# KiCad board Panel3-copy2.kicad_pcb (continued)
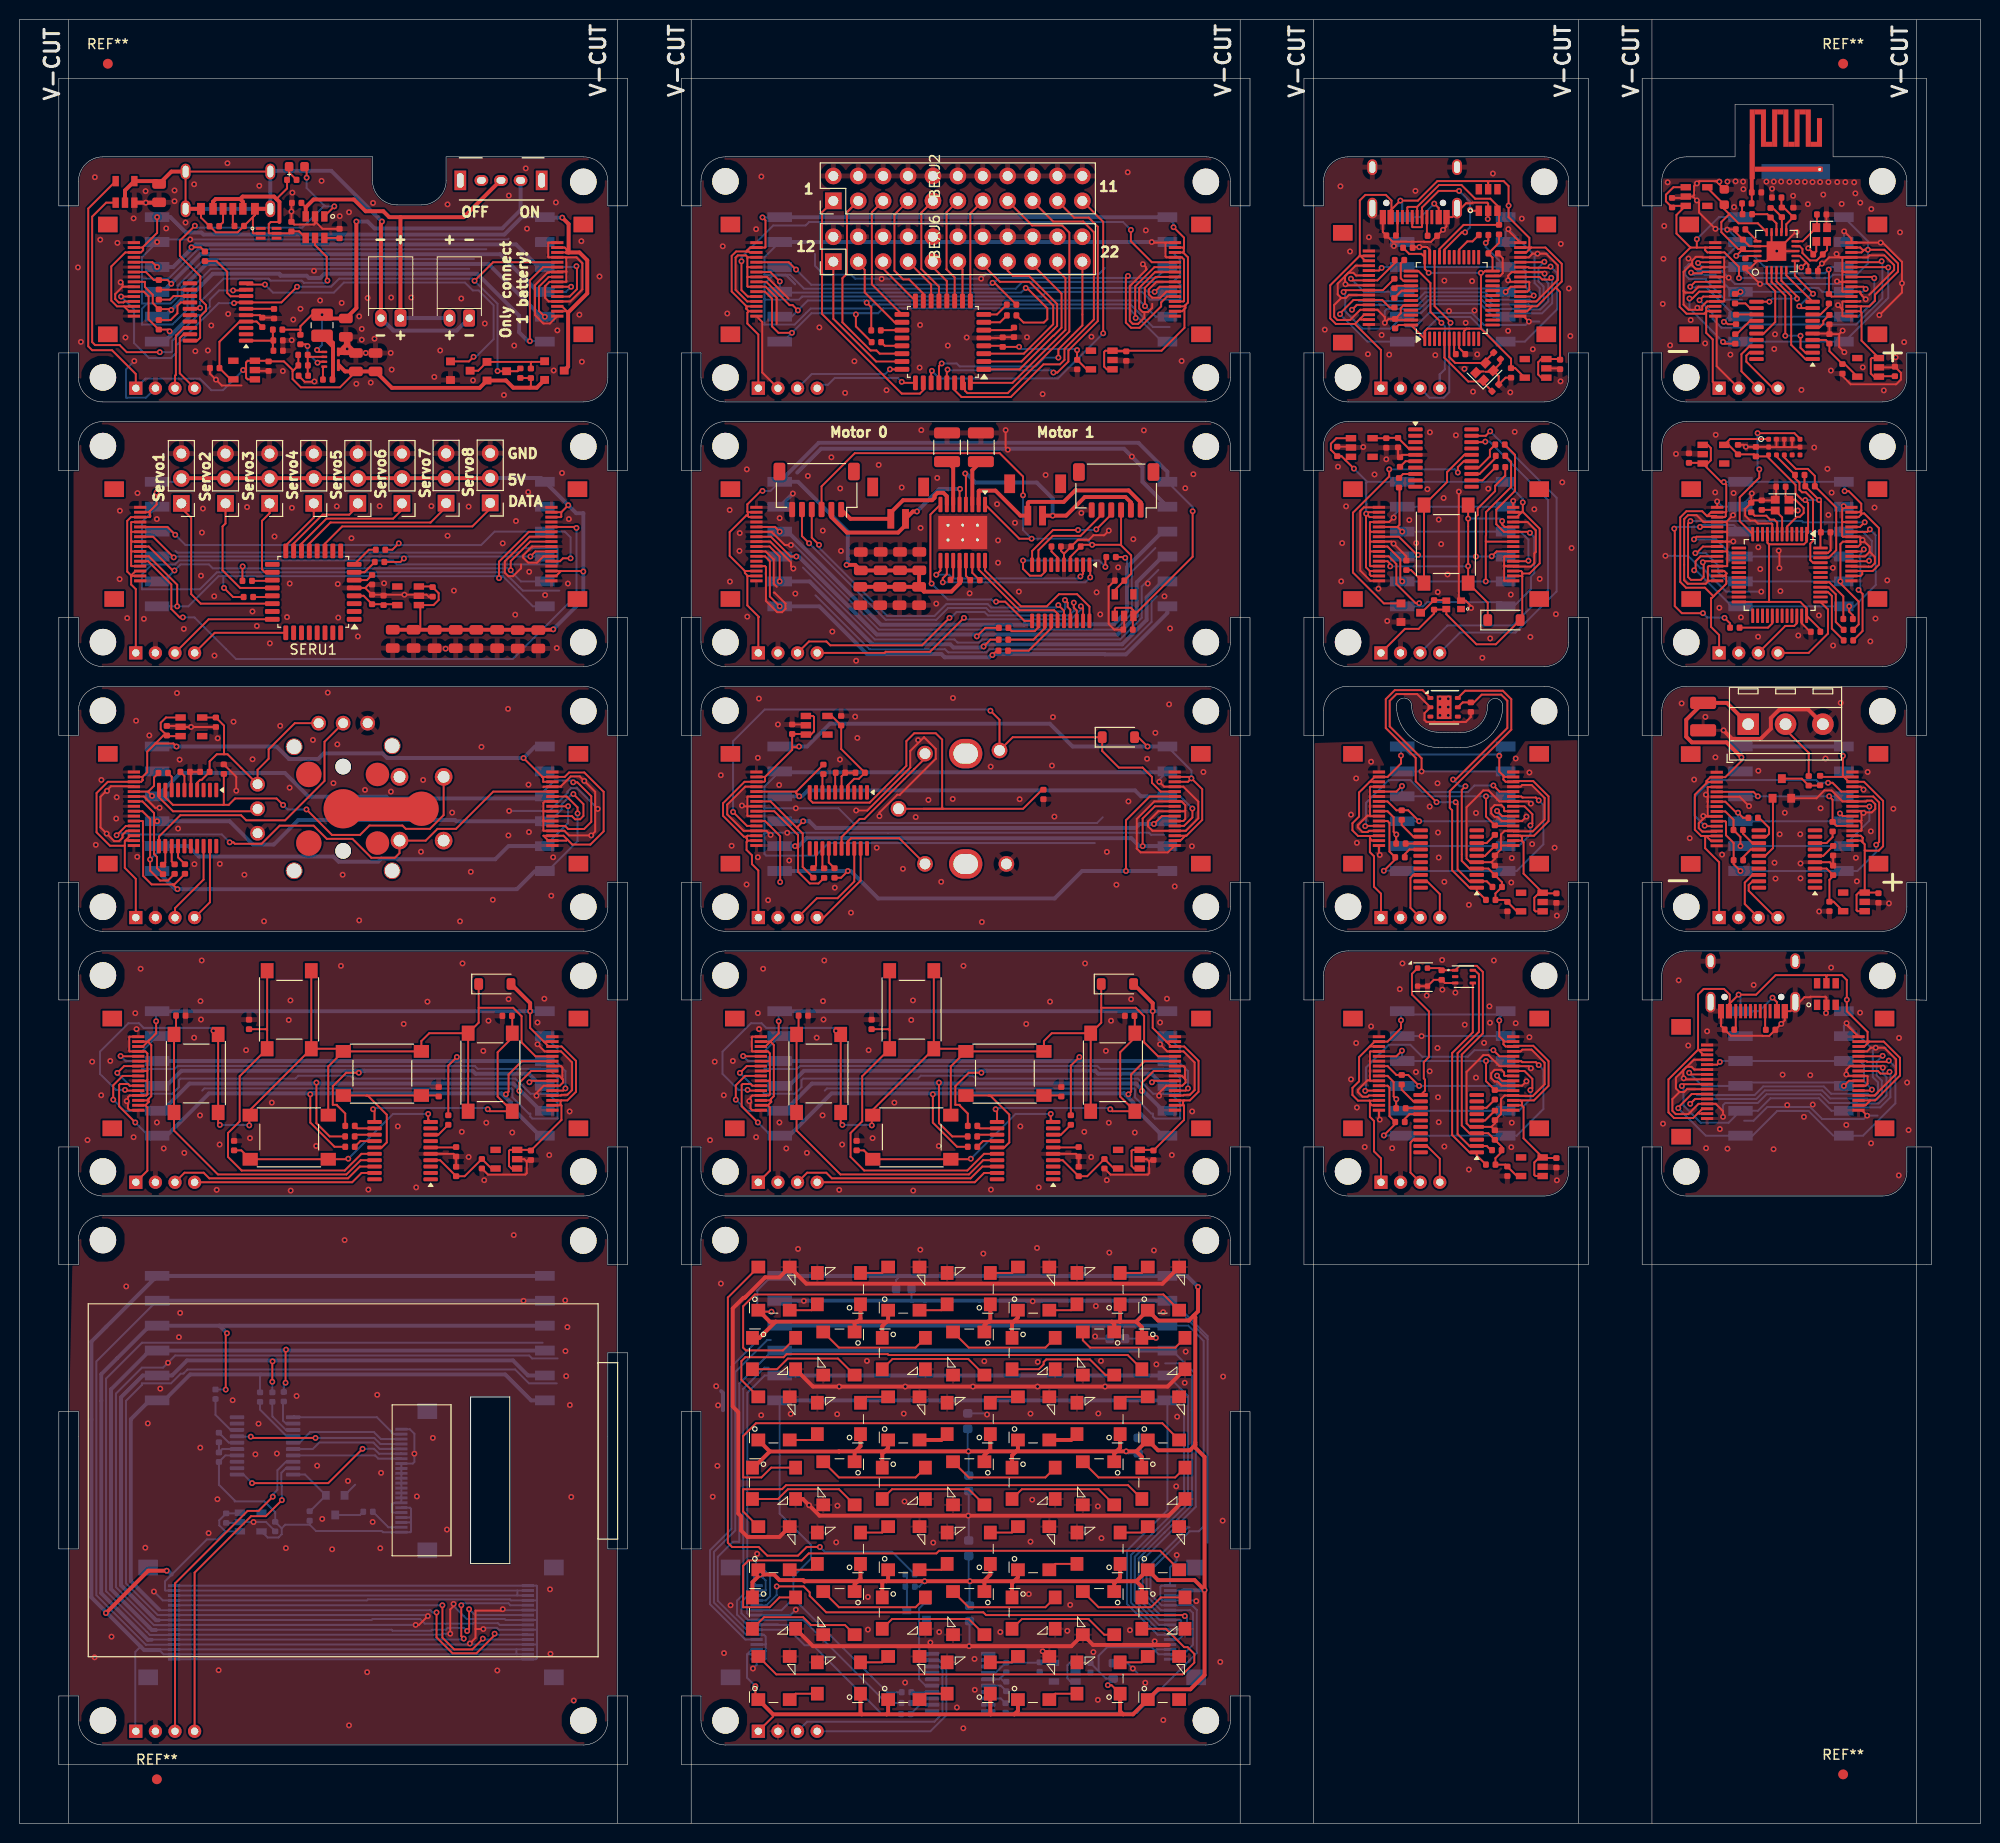
[diagram p0: board, top side]
## Routing (per net, layer and track width the routed paths; a pad name or vN(x,y) marks a point on that pad's centre or on a via; arc(x,y) is an arc through that point) (continued)
LIG_MICROPHONE_ADC: length 14.4
  Top w0.2: LIGU3.11 143.35,74.75 143.35,75.88 143.22,76 143.22,77.65 143.75,78.17 143.75,82.82 142.02,84.55 142.02,86.67 LIGU4.1
LIG_MISO: length 24
  Top w0.2: LIGR4.2 140.41,73.86 v1(140.43,73.88) 140.15,74.15 140.15,75.63 139.53,76.25 LIGJ5.9 ; v1(154.1,74.8) 154.3,75 154.3,75.95 153.5,76.75 LIGJ3.9
  Bottom w0.2: v1(154.1,74.8) 154.1,73.88 152.91,72.69 LIGJ2.2 LIGJ1.5 140.43,73.29 v1(140.43,73.88)
LIG_MOSI: length 31.6
  Top w0.2: v1(154.95,77.35) 154.65,77.65 153.27,77.65 153.17,77.75 LIGJ3.11 ; LIGJ5.11 139.53,75.25 139.72,75.06 139.72,72.14 LIGR2.2 140.31,71.34 v1(139.15,70.17)
  Bottom w0.2: v1(154.95,77.35) 155.43,76.88 155.43,72.88 152.7,70.15 LIGJ2.1 LIGJ1.6 141,70.17 v1(139.15,70.17)
LIG_Net-(U3-NRST): length 2.3
  Top w0.2: LIGU3.6 149.47,71.7 LIGC1.1
LIG_Net-(U3-PA1): length 2.2
  Top w0.2: LIGR1.1 149.63,73 LIGU3.8
LIG_Net-(U3-PA5): length 3
  Top w0.2: LIGR3.1 140.97,74.84 142.17,73.65 LIGU3.12
LIG_Net-(U3-PA6): length 1.5
  Top w0.2: LIGU3.13 142.85,72.95 LIGR4.1
LIG_Net-(U3-PA7): length 2.1
  Top w0.2: LIGU3.14 141.77,72.35 141.28,71.87 141.28,71.55
LIG_PS: length 19.4
  Top w0.2: v1(149.57,77.77) 149.57,75.71 LIGR1.2 150.53,74.75 LIGJ3.5 ; LIGJ5.5 140.43,78.25 v1(141,78.83)
  Bottom w0.2: LIGJ2.4 v1(149.57,77.77) LIGJ1.3 141,77.8 v1(141,78.83)
LIG_SCL: length 21.3
  Top w0.2: LIGU1.4 148.22,80.69 146.12,78.58 146.12,70.22 147.89,68.45 LIGU3.1 148.63,68.14 LIGR5.1
LIG_SCLK: length 18.8
  Top w0.2: v1(142.75,75.23) 141.63,76.34 LIGR3.2 140.44,76.34 139.53,77.25 LIGJ5.7 ; v1(150.7,76.28) 151.22,75.75 LIGJ3.7
  Bottom w0.2: v1(150.7,76.28) 150.7,76.11 LIGJ2.3 v1(142.75,75.23) LIGJ1.4
LIG_SDA: length 22.3
  Top w0.2: LIGU1.6 148.43,87.03 148.85,86.61 148.85,80.75 146.68,78.58 146.68,70.32 147.89,69.1 LIGU3.2 149.66,69.1 150.23,68.53
LIG_SWDCLK: length 4.9
  Top w0.2: LIGU3.19 143.56,69.1 144.86,67.8 LIGJ4.4
LIG_SWDIO: length 5.6
  Top w0.2: LIGJ4.3 141.87,66.39 141.87,69.45 142.17,69.75 LIGU3.18
LIG_VDD: length 32.9
  Top w0.2: LIGU4.4 144.82,87.25 LIGC3.1 145.06,87.03 LIGU1.1 146.88,87.47 148.63,87.47 149.25,86.86 149.25,80.58 147.1,78.42 147.1,71.19 147.89,70.4 LIGU3.4 149.81,70.4 LIGC2.1 151.2,69.01 151.2,68.53 150.53,67.86 LIGR5.2 151.56,67.2 LIGC9.1 152.72,66.03 LIGU2.5
MAT_5V: length 406.8
  Top w0.2: MATD48.1 111.38,14.1 v1(111,14.1) ; MATJ3.1 76.86,10.91 76.86,11.12 ; MATD43.1 75.05,12.93 v1(75.05,14) ; MATD1.1 75.5,52.2 v1(76.69,52.2)
  Top w0.4: 112.24,51.18 112.25,51.19 MATD6.1 ; 112.24,51.18 113.9,51.18 ; 112.24,51.18 111.4,51.18 ; 113.9,24.7 114.47,24.13 MATD42.1 ; 113.9,24.7 MATD35.1 116.12,24.82 119.84,24.82 v1(120.86,23.8) ; 113.9,24.7 111.85,24.7 ; 98.32,24.7 101.42,24.7 ; 98.32,24.7 98.41,24.61 MATD39.1 ; 98.32,24.7 v1(96.93,24.7) v1(92.31,24.7) 88.41,24.7 ; 98.32,24.7 99.01,25.39 MATD32.1 ; 101.42,24.7 101.83,25.11 MATD33.1 ; 101.42,24.7 111.85,24.7 ; 101.42,24.7 101.23,24.51 MATD40.1 ; 119.75,51.79 119.26,51.3 116.12,51.3 MATD7.1 113.9,51.18 ; 119.75,51.79 120.2,52.24 v1(120.2,54.72) ; 119.75,51.79 119.92,51.62 119.92,38.86 ; 85.91,11.12 85.77,11.26 MATD44.1 ; 85.91,11.12 76.86,11.12 MATD43.1 ; 85.91,11.12 88.44,11.12 ; 85.32,51.18 85.48,51.18 ; 85.32,51.18 85.17,51.03 MATD9.1 ; 85.32,51.18 77.11,51.18 ; 85.48,51.18 88.44,51.18 ; 85.48,51.18 85.77,51.47 MATD2.1 ; 113.91,37.95 MATD21.1 116.12,38.06 119.37,38.06 119.92,38.61 119.92,38.86 ; 113.91,37.95 v1(112.87,37.95) 111.88,37.95 ; 113.91,37.95 114.47,37.39 MATD28.1 ; 98.8,37.95 v1(96.78,37.95) 88.23,37.95 ; 98.8,37.95 101.65,37.95 ; 98.8,37.95 99.01,38.16 MATD18.1 ; 98.8,37.95 98.41,37.56 MATD25.1 ; MATD31.1 88.59,24.88 88.41,24.7 ; 111.85,24.7 111.65,24.5 MATD41.1 ; 111.85,24.7 112.25,25.1 MATD34.1 ; 111.88,37.95 111.65,37.72 MATD27.1 ; 111.88,37.95 112.25,38.32 MATD20.1 ; 111.88,37.95 101.65,37.95 ; MATD8.1 75.46,49.53 77.11,51.18 ; 88.41,24.7 88.13,24.7 ; MATD30.1 85.77,24.98 85.49,24.7 ; MATD19.1 101.83,38.13 101.65,37.95 ; 101.65,37.95 101.23,37.53 MATD26.1 ; 85.25,37.95 85.77,38.47 MATD16.1 ; 85.25,37.95 88.23,37.95 ; 85.25,37.95 85.17,37.87 MATD23.1 ; 85.25,37.95 83.59,37.95 83.58,37.94 76.52,37.94 ; 113.9,51.18 114.47,50.61 MATD14.1 115.89,49.53 v1(115.9,49.53) ; 76.52,37.94 MATD15.1 ; 76.52,37.94 74.87,36.29 MATD22.1 ; 98.91,51.18 101.39,51.18 ; 98.91,51.18 98.77,51.18 ; 98.91,51.18 99.01,51.28 MATD4.1 ; 101.39,51.18 111.4,51.18 ; 101.39,51.18 101.83,51.62 MATD5.1 ; 101.39,51.18 101.23,51.02 MATD12.1 ; MATD11.1 98.41,50.82 98.77,51.18 ; 88.44,51.18 88.59,51.33 MATD3.1 ; 88.44,51.18 87.99,50.73 MATD10.1 ; 88.44,51.18 98.77,51.18 ; 77.11,51.18 76.52,51.18 MATD1.1 ; 111.4,51.18 111.65,50.93 MATD13.1 ; v1(120.86,23.8) 120.86,15.12 119.42,13.68 116.12,13.68 MATD49.1 113.56,11.12 112.56,11.12 ; v1(120.86,23.8) 120.86,37.39 119.92,38.33 119.92,38.86 ; 88.44,11.12 88.59,11.28 MATD45.1 ; 88.44,11.12 99.04,11.12 ; MATD17.1 88.59,38.31 88.23,37.95 ; MATD48.1 112.25,11.44 112.56,11.12 ; MATD36.1 74.75,24.6 v1(75.54,25.39) 76.94,25.39 77.5,24.82 79.92,24.82 80.06,24.68 80.08,24.7 85.49,24.7 ; 99.04,11.12 99.01,11.16 MATD46.1 ; 99.04,11.12 101.47,11.12 ; MATD38.1 87.99,24.56 88.13,24.7 ; 88.13,24.7 85.49,24.7 ; 85.49,24.7 85.17,24.38 MATD37.1 ; 88.23,37.95 87.99,37.71 MATD24.1 ; 112.56,11.12 101.47,11.12 ; MATD47.1 101.83,11.49 101.47,11.12
  Bottom w0.2: 76.05,23.75 76.05,23.5 76.15,23.4 76,23.25 MATJ5.14 ; 76.05,23.75 76.1,23.8 76.1,24.78 75.8,25.07 ; 76.05,23.75 MATJ5.15 ; MATC12.1 115.83,49.45 v1(115.9,49.53) ; v1(75.05,14) 74.2,14.85 74.2,17.25 ; MATJ4.2 118.62,23.75 118.65,23.78 ; MATC13.1 96.89,24.66 v1(96.93,24.7) 96.81,24.82 MATC7.1 ; 115.83,17.6 116.17,17.25 MATJ4.15 ; 115.83,17.6 115.97,17.75 MATJ4.14 ; 115.83,17.6 115.45,17.97 110.93,17.97 110.06,17.1 110.06,15.53 ; v1(112.87,37.95) 113.07,37.75 MATC6.1 ; MATC11.1 96.71,38.02 v1(96.78,37.95) 96.81,37.92 MATC16.1 ; MATU1.3 107.19,14.47 106.87,14.8 106.87,16.12 107.12,16.38 MATU1.1 109.21,16.38 MATC1.1 110.06,15.53 ; MATJ4.3 118.33,23.25 118.85,23.78 ; 74.2,17.25 MATJ5.2 ; 74.2,17.25 74.7,17.75 MATJ5.3 ; 110.06,15.53 110.81,14.78 MATC15.1 111,14.22 v1(111,14.1) ; v1(75.54,25.39) 75.8,25.13 75.8,25.07 ; 75.8,25.07 75.53,25.35 ; v1(76.69,52.2) 75.87,52.2 75.25,52.82 75.25,54.31 75.22,54.34 76.73,55.85 MATJ1.1 ; 89.82,55.85 89.4,55.43 MATC8.1 ; MATR2.1 91.76,24.15 v1(92.31,24.7)
  Bottom w0.4: 118.65,23.78 120.84,23.78 v1(120.86,23.8) ; v1(120.2,54.72) 119.08,55.85 MATJ2.6 MATJ1.1
MAT_D0: length 50.5
  Top w0.2: MATD1.4 72.24,53.64 72.24,28.63 72.68,28.19 75.38,28.19 76.26,27.31 79.39,27.31 80.28,28.2 v1(81.62,28.2)
  Bottom w0.2: MATR4.2 89,27.7 82.12,27.7 v1(81.62,28.2)
MAT_GND: length 480.3
  Top w0.4: MATD22.3 79.89,33.09 v1(80.53,32.46) 81.59,31.39 v1(96.76,31.39) 117.17,31.39 MATD28.3 ; MATD7.3 116.57,55.05 80.25,55.05 MATD1.3 77.5,55.7 76.04,55.7 73.95,53.61 73.82,53.61 72.74,52.53 72.74,42.52 73.3,41.96 73.3,31.61 73.59,31.32 73.59,29.88 74.25,29.22 77.5,29.22 MATD29.3 ; MATD8.3 80.92,44.56 v1(83.6,44.56) v1(90.34,44.56) v1(97.24,44.56) v1(103.83,44.56) v1(110.72,44.56) 117.1,44.56 MATD14.3 ; MATD36.3 80.92,18.08 v1(96.85,18.08) 107.28,18.08 MATD41.3 109.5,18.2 117.22,18.2
  Bottom w0.2: 100.03,14.82 99.92,14.7 MATU2.5 ; 100.03,14.82 MATC2.2 ; 100.03,14.82 100.4,14.45 MATC4.2 ; MATJ4.13 116.1,18.25 v1(115.78,18.57) ; 121.17,49.38 118.98,51.57 ; 121.17,49.38 121.17,49.71 117.58,53.31 MATJ2.5 ; 121.17,49.38 121.17,28.62 ; 116.85,46.92 118.31,46.92 119.58,45.66 119.58,42.08 119.58,42.2 119.58,32.47 114.15,27.04 114.15,22.87 116.27,20.75 MATJ4.8 118.4,20.75 118.47,20.68 118.47,20.05 118.17,19.75 MATJ4.10 116.14,19.75 113.35,22.54 113.35,27.37 118.78,32.8 118.78,43.42 118.05,44.15 ; MATC16.2 96.81,31.44 v1(96.76,31.39) 96.81,31.34 MATC7.2 ; v1(75.22,27.5) 75.12,27.4 75.12,25.97 ; MATC12.2 109.92,49.45 v1(109.7,49.67) ; 73.17,21.31 73.17,21.59 ; 73.17,21.31 74.18,20.3 77.37,20.3 ; 73.17,21.31 73.17,22.72 73.83,23.37 73.83,28.03 73.8,28.05 73.8,44.31 75.97,46.49 76.4,46.49 ; 114.05,15.3 113,16.35 MATC15.2 ; MATC11.2 98.56,41.82 v1(98.68,41.71) ; MATJ4.16 118.22,16.75 119.67,18.21 119.67,21.47 119.4,21.75 MATJ4.6 116.4,21.75 114.95,23.2 114.95,25.97 119.18,30.2 119.33,30.2 ; MATC6.2 115.03,39.32 ; MATJ5.4 76.05,18.25 76.1,18.3 ; MATC13.2 96.89,18.12 v1(96.85,18.08) ; 76.1,18.3 76.1,16.8 76.05,16.75 MATJ5.1 75.17,16.18 v1(74.8,15.8) ; 76.1,18.3 76.1,19.05 75.9,19.25 MATJ5.6 74.1,19.25 70.82,22.53 70.82,27.69 73,29.88 73,46.06 76.25,49.3 76.62,49.3 ; 91.03,53.31 90.98,53.36 MATC8.2 ; MATJ5.8 79.35,20.25 ; v1(79.17,21.8) 78.62,21.25 MATJ5.10 74.4,21.25 74.2,21.45 74.2,22.6 74.35,22.75 MATJ5.13 76.12,22.75 76.55,23.18 76.55,25.22 75.79,25.99 75.14,25.99 75.12,25.97 ; v1(118.03,27.38) 118.03,26.8 117.34,26.12 MATJ4.1 116.47,24.25 116.36,24.14 116.36,22.93 116.54,22.75 MATJ4.4 120.03,22.75 120.15,22.62 ; 75.12,25.97 75.12,25.82 74.92,25.62 74.92,24.5 MATJ5.16
  Bottom w0.4: 71.55,44.1 71.74,43.91 71.74,42.15 ; MATJ1.2 MATJ2.5
  vias: v1(70.7,33.32) v1(71.05,44.6) v1(71.24,42.65) v1(71.17,36.47) v1(71.53,55.07) v1(71.85,17.37) v1(72.52,22.25) v1(75.64,41.64) v1(78.65,41.77) v1(79.4,58.6) v1(79.99,53.3) v1(83.29,28.67) v1(83.39,41.74) v1(83.42,32.41) v1(86.42,47.17) v1(86.53,23.1) v1(86.53,19.77) v1(90.18,41.8) v1(90.26,32.84) v1(90.32,14.37) v1(91.88,58.53) v1(92.9,18.45) v1(93.19,28.64) v1(93.8,19.52) v1(95.6,11.82) v1(96.26,9.7) v1(97.4,16.78) v1(97.42,13.62) v1(98.3,58.12) v1(98.4,47.15) v1(100.03,19.52) v1(102.94,23.39) v1(103.11,41.8) v1(103.11,28.74) v1(103.33,53.26) v1(103.29,33.02) v1(103.78,58.7) v1(103.85,47.08) v1(104.35,17.55) v1(106.87,19.64) v1(107.16,22.29) v1(109.53,17.47) v1(109.78,52.78) v1(110.03,41.81) v1(109.98,32.34) v1(109.98,12.6) v1(110.3,47.17) v1(110.35,29.1) v1(111.15,58.22) v1(113.25,19.71) v1(113.55,15.8) v1(114.82,14.35) v1(115.7,58.45) v1(115.95,46.83) v1(116.65,52.15) v1(116.66,10.54) v1(117.97,34.38) v1(118.07,41.49) v1(118.84,44.95) v1(118.94,48.13) v1(120.03,22.68) v1(122.47,16.47) v1(122.71,30.88) v1(122.76,45.58)
MAT_Interrupt5V: length 50.2
  Top w0.2: v1(77.22,24.18) 79.97,24.18 80.59,23.56 80.59,23.21 82.27,21.53 98.3,21.53 98.58,21.25 118.75,21.25 v1(118.85,21.15)
  Bottom w0.2: v1(77.22,24.18) 77.22,23.28 76.19,22.25 MATJ5.12 ; MATJ4.12 118.22,18.75 119.08,19.6 119.08,20.93 v1(118.85,21.15)
MAT_LED_DATA: length 9.9
  Bottom w0.2: 92.5,22.68 91.75,21.93 91.75,14.72 92.42,14.05 MATU2.15
MAT_MISO: length 117.2
  Bottom w0.2: MATJ1.5 75.99,45.69 74.22,43.92 74.22,23.2 73.62,22.6 73.62,21.43 74.3,20.75 MATJ5.9 79.95,20.75 88.42,12.28 MATR5.2 ; MATJ2.2 119.17,43.59 119.17,32.63 113.75,27.21 113.75,22.71 116.21,20.25 MATJ4.9
  Bottom w0.4: MATJ2.2 MATJ1.5
MAT_MOSI: length 109.3
  Bottom w0.2: 78.92,22.95 77.72,21.75 MATJ5.11 ; 78.92,22.95 88.5,13.38 MATR6.2 ; 78.92,22.95 78.92,25.2 80.72,27 80.72,28.4 77.53,31.6 MATJ1.6 ; MATJ2.1 117.08,31.95 112.95,27.82 112.95,22.38 116.08,19.25 MATJ4.11
  Bottom w0.4: MATJ1.6 MATJ2.1
MAT_Net-(D1-DOUT): length 3.1
  Top w0.2: MATD1.2 80.77,52.35 MATD2.4
MAT_Net-(D2-DOUT): length 3.1
  Top w0.2: MATD3.4 87.99,56.15 MATD2.2
MAT_Net-(D3-DOUT): length 3.1
  Top w0.2: MATD4.4 94.01,52.35 MATD3.2
MAT_Net-(D4-DOUT): length 3.1
  Top w0.2: MATD5.4 101.23,56.15 MATD4.2
MAT_Net-(D5-DOUT): length 3.1
  Top w0.2: MATD5.2 107.25,52.35 MATD6.4
MAT_Net-(D6-DOUT): length 3.1
  Top w0.2: MATD7.4 114.47,56.15 MATD6.2
MAT_Net-(D7-DOUT): length 55.8
  Top w0.2: MATD7.2 116.67,53.95 75,53.95 73.8,52.75 73.8,48.53 74.08,48.25 77.87,48.25 MATD8.4
MAT_Net-(D8-DOUT): length 11.6
  Top w0.2: MATD8.2 77.27,46.33 78.36,47.42 83.48,47.42 MATD9.4
MAT_Net-(D10-DIN): length 11.5
  Top w0.2: MATD9.2 83.57,48.53 91.39,48.53 MATD10.4
MAT_Net-(D10-DOUT): length 11.5
  Top w0.2: MATD11.4 96.77,47.38 89.03,47.38 MATD10.2
MAT_Net-(D11-DOUT): length 11.5
  Top w0.2: MATD12.4 104.63,48.53 96.81,48.53 MATD11.2
MAT_Net-(D12-DOUT): length 11.6
  Top w0.2: MATD12.2 103.96,46.33 104.45,46.82 104.45,47.07 104.71,47.33 109.17,47.33 110.77,45.73 MATD13.4
MAT_Net-(D13-DOUT): length 12
  Top w0.2: MATD13.2 108.45,49.28 109.2,48.53 117.87,48.53 MATD14.4
MAT_Net-(D14-DOUT): length 46.1
  Top w0.2: MATD15.4 73.62,45.24 73.62,47.15 74.02,47.55 77.92,47.55 78.24,47.87 88.54,47.87 88.64,47.78 113.03,47.78 MATD14.2
MAT_Net-(D15-DOUT): length 3.1
  Top w0.2: MATD16.4 80.77,39.11 MATD15.2
MAT_Net-(D16-DOUT): length 3.1
  Top w0.2: MATD17.4 86.37,43.51 MATD16.2
MAT_Net-(D17-DOUT): length 3.1
  Top w0.4: MATD18.4 94.01,39.11 MATD17.2
MAT_Net-(D18-DOUT): length 3.1
  Top w0.2: MATD19.4 99.61,43.51 MATD18.2
MAT_Net-(D19-DOUT): length 3.1
  Top w0.4: MATD19.2 107.25,39.11 MATD20.4
MAT_Net-(D20-DOUT): length 3.1
  Top w0.2: MATD21.4 112.85,43.51 MATD20.2
MAT_Net-(D21-DOUT): length 55.7
  Top w0.2: MATD21.2 116.56,40.82 75.11,40.82 73.8,39.51 73.8,35.29 75.66,35.29 76.66,36.29 MATD22.4
MAT_Net-(D22-DOUT): length 11.5
  Top w0.2: MATD22.2 77.36,33.09 78.36,34.09 83.57,34.09 MATD23.4
MAT_Net-(D23-DOUT): length 11.5
  Top w0.2: MATD24.4 91.39,35.29 83.57,35.29 MATD23.2
MAT_Net-(D24-DOUT): length 11.5
  Top w0.2: MATD25.4 96.81,34.09 88.99,34.09 MATD24.2
MAT_Net-(D25-DOUT): length 11.5
  Top w0.2: MATD26.4 104.63,35.29 96.81,35.29 MATD25.2
MAT_Net-(D26-DOUT): length 11.5
  Top w0.2: MATD27.4 110.05,34.09 102.23,34.09 MATD26.2
MAT_Net-(D27-DOUT): length 11.5
  Top w0.2: MATD28.4 117.87,35.29 110.05,35.29 MATD27.2
MAT_Net-(D28-DOUT): length 45.9
  Top w0.2: MATD29.4 73.8,31.82 73.8,34.09 77.77,34.09 78.18,34.5 113.06,34.5 MATD28.2
MAT_Net-(D29-DOUT): length 3.1
  Top w0.2: MATD29.2 80.77,25.87 MATD30.4
MAT_Net-(D30-DOUT): length 3.1
  Top w0.2: MATD31.4 87.99,29.67 MATD30.2
MAT_Net-(D31-DOUT): length 3.1
  Top w0.2: MATD31.2 94.01,25.87 MATD32.4
MAT_Net-(D32-DOUT): length 3.1
  Top w0.2: MATD33.4 101.23,29.67 MATD32.2
MAT_Net-(D33-DOUT): length 3.1
  Top w0.2: MATD33.2 105.63,26.47 MATD34.4
MAT_Net-(D34-DOUT): length 3.1
  Top w0.2: MATD34.2 114.47,29.67 MATD35.4
MAT_Net-(D35-DOUT): length 55.9
  Top w0.2: MATD36.4 77.5,23.05 76.5,22.05 73.8,22.05 73.8,26.27 74.35,26.82 79.77,26.82 80.49,27.54 93.51,27.54 93.78,27.81 116.33,27.81 MATD35.2
MAT_Net-(D36-DOUT): length 11.6
  Top w0.2: MATD37.4 84.19,20.23 80.72,20.23 79.92,21.03 75.93,21.03 MATD36.2
MAT_Net-(D37-DOUT): length 11.5
  Top w0.2: MATD38.4 91.39,22.05 83.57,22.05 MATD37.2
MAT_Net-(D38-DOUT): length 11.5
  Top w0.2: MATD38.2 88.99,20.85 96.81,20.85 MATD39.4
MAT_Net-(D39-DOUT): length 11.5
  Top w0.2: MATD40.4 104.63,22.05 96.81,22.05 MATD39.2
MAT_Net-(D40-DOUT): length 11.5
  Top w0.2: MATD41.4 110.63,19.25 109.03,20.85 102.23,20.85 MATD40.2
MAT_Net-(D41-DOUT): length 11.5
  Top w0.2: MATD42.4 116.42,23.05 115.42,22.05 110.05,22.05 MATD41.2
MAT_Net-(D42-DOUT): length 53
  Top w0.2: MATD43.4 77.18,15.2 118.62,15.2 119.82,16.4 119.82,17.29 119.13,17.98 118.79,17.98 116.92,19.85 MATD42.2
MAT_Net-(D43-DOUT): length 3.1
  Top w0.2: MATD43.2 79.15,13.23 MATD44.4
MAT_Net-(D44-DOUT): length 3.1
  Top w0.2: MATD45.4 87.99,16.43 MATD44.2
MAT_Net-(D45-DOUT): length 3.1
  Top w0.2: MATD46.4 92.39,13.23 MATD45.2
MAT_Net-(D46-DOUT): length 3.1
  Top w0.2: MATD46.2 101.23,16.43 MATD47.4
MAT_Net-(D47-DOUT): length 3.1
  Top w0.2: MATD48.4 105.63,13.23 MATD47.2
MAT_Net-(D48-DOUT): length 3.1
  Top w0.2: MATD48.2 114.47,16.43 MATD49.4
MAT_Net-(Q1-D): length 3.7
  Bottom w0.2: MATQ1.3 90.5,25.23 MATR4.1
MAT_Net-(U2-NRST): length 2.1
  Bottom w0.2: MATC4.1 100.64,13.49 100.08,14.05 MATU2.6
MAT_Net-(U2-PA1): length 2
  Bottom w0.2: 100.56,12.26 100.08,12.75 MATU2.8
MAT_Net-(U2-PA5): length 2.6
  Bottom w0.2: MATR3.1 91.83,12.1 MATU2.12
MAT_Net-(U2-PA6): length 2.3
  Bottom w0.2: MATR5.1 91.39,12.75 MATU2.13
MAT_Net-(U2-PA7): length 2.1
  Bottom w0.2: MATU2.14 93.06,13.38 MATR6.1
MAT_PS: length 142.4
  Bottom w0.2: MATJ5.5 74.04,18.75 70.42,22.37 70.42,27.86 72.6,30.04 72.6,46.59 76.78,50.77 MATJ1.3 ; MATR1.2 114,11.29 120.08,17.38 120.08,21.78 119.6,22.25 MATJ4.5 116.47,22.25 115.35,23.37 115.35,25.8 119.35,29.8 120.28,29.8 120.78,30.3 120.78,49.21 119.21,50.77 MATJ2.4
  Bottom w0.4: MATJ2.4 MATJ1.3
MAT_SCLK: length 124.6
  Bottom w0.2: MATJ2.3 117.58,48.23 119.78,46.03 119.97,46.03 119.97,32.3 114.55,26.88 114.55,23.04 116.34,21.25 MATJ4.7 ; MATJ1.4 76.78,48.23 73.4,44.86 73.4,28.72 72.75,28.72 71.22,27.2 71.22,22.7 74.17,19.75 MATJ5.7 78.5,19.75 80.08,18.18 80.92,18.18 87.94,11.16 MATR3.2
  Bottom w0.4: MATJ1.4 MATJ2.3
MAT_SWDCLK: length 20.5
  Bottom w0.2: MATU2.19 93.81,16.65 94.53,15.94 94.53,11.03 92.9,9.4 MATJ3.4
MAT_SWDIO: length 21.2
  Bottom w0.2: MATJ3.3 80.33,10.38 93.31,10.38 94.12,11.19 94.12,15.69 93.81,16 MATU2.18
MAT_VDD: length 7.1
  Bottom w0.2: MATU2.4 99.54,15.35 100.58,16.39 MATC2.1 105.48,16.39 MATU1.5
MOT_5V: length 125.8
  Top w0.2: MOTJ4.1 75.35,123.03 75.4,123.08 74.23,124.25 74.23,127.2 74.28,127.25 ; 74.28,127.25 73.98,127.55 73.98,127.75 ; 74.28,127.25 MOTJ1.15 ; 74.28,133.75 74.23,133.8 74.23,134.56 75.6,135.93 v1(75.78,135.93) ; 74.28,133.75 74.28,133.48 74.22,133.43 ; 74.28,133.75 MOTJ1.2 ; 74.22,133.43 74.4,133.25 MOTJ1.3 ; 74.22,133.43 74.12,133.43 72.42,131.72 72.42,129.3 73.98,127.75 ; MOTU2.3 113.55,123.11 MOTC8.1 ; MOTU2.3 113.61,123.74 113.34,124 111.81,124 111.71,123.91 MOTU2.1 ; MOTU2.3 119.65,129.22 v1(119.65,133.85) ; 73.98,127.75 MOTJ1.14
  Top w0.4: MOTC4.1 MOTC12.1 ; MOTC12.1 92.24,125.65 95.04,125.65 95.92,126.53 MOTC5.1 95.88,126.9 MOTU1.12 ; MOTC12.1 91.75,127.8 MOTC13.1 91.76,127.81 MOTC16.1 85.24,128.38 v1(84.35,128.38)
  Bottom w0.2: v1(119.65,133.85) 119.65,134.28 MOTJ7.6 ; v1(75.78,135.93) 76.6,135.93 MOTJ5.1
  Bottom w0.4: v1(84.35,128.38) 84.47,128.5 84.47,131.78 79.41,136.85 MOTJ5.1 81.5,140.82 114.12,140.82 117.08,137.88 MOTJ7.6
MOT_ENC1_A: length 11.5
  Top w0.2: MOTU3.10 103.28,129.8 105.41,131.94 v1(107.96,131.94) ; MOTJ6.4 111.35,133.53 v1(109.83,132)
  Bottom w0.2: v1(107.96,131.94) 109.76,131.94 v1(109.83,132)
MOT_ENC1_B: length 34.1
  Top w0.2: v1(81.54,130.42) 80.8,131.16 MOTJ2.4 ; v1(105.95,124.28) 106.53,123.7 MOTU3.16
  Bottom w0.2: v1(81.54,130.42) 81.54,130.13 88.5,123.17 93.33,123.17 94.53,124.38 98.75,124.38 99.1,124.03 105.7,124.03 v1(105.95,124.28)
MOT_ENC2_A: length 9.9
  Top w0.2: MOTJ6.5 110.35,133.47 108.21,131.34 105.38,131.34 103.92,129.88 MOTU3.9
MOT_ENC2_B: length 37.1
  Top w0.2: v1(106.62,124.79) 106.9,124.51 106.9,124.09 107.17,123.81 MOTU3.17 ; v1(80.53,130.58) 79.8,131.31 MOTJ2.5
  Bottom w0.2: v1(80.53,130.58) 88.34,122.78 93.5,122.78 94.7,123.97 98.58,123.97 98.93,123.62 106.38,123.62 106.65,123.9 106.65,124.76 v1(106.62,124.79)
MOT_GND: length 219.3
  Top w0.2: v1(100.8,140.12) 100.58,140.35 v1(100.58,142.12) ; v1(78.67,130.4) 78.05,130.4 76.7,131.75 MOTJ1.6 ; MOTU2.2 112.66,121.86 MOTC8.2 111.66,121.78 111.08,122.34 111.08,126.15 MOTC9.2 ; MOTJ1.13 76.03,128.25 76.12,128.16 76.12,124.7 77.28,123.55 77.77,123.55 78.12,123.9 78.12,124.42 77,125.55 76.92,125.55 ; v1(111.1,131.88) 110.62,131.4 109.53,131.4 109.06,130.94 107.95,130.94 MOTC2.2 106.53,129.51 ; MOTJ1.10 76.1,129.75 76.92,128.92 76.92,126.44 77.23,126.13 ; MOTJ1.8 76.57,130.75 78.69,128.63 78.69,128.24 v1(78.92,128) ; MOTU1.13 96.53,127.27 MOTC6.1 ; MOTC1.2 106.22,129.82 106.53,129.51 ; 106.53,129.51 MOTU3.5
  Bottom w0.2: 115.84,130.1 113.45,127.7 113.45,123.43 111.79,121.78 87.64,121.78 78.81,130.6 ; 79.9,128.1 87.22,120.78 95.35,120.78 95.67,120.45 97.85,120.45 98.17,120.78 112.25,120.78 114.46,122.98 114.46,126.17 115.06,126.77 ; 116,125.17 115.46,124.63 115.46,122.57 112.67,119.78 98.92,119.78 98.6,119.45 94.72,119.45 94.4,119.78 86.67,119.78 81.17,125.28 ; 115.06,126.77 115.08,126.75 v1(115.08,126.47) ; 115.06,126.77 116.16,127.88
  Bottom w0.4: 79.31,137.79 81.75,140.22 112.65,140.22 v1(113.45,139.43) 114.53,138.35 114.53,136.86 MOTJ7.5 ; MOTJ5.2 v1(78.87,135.66)
  vias: v1(72.42,133.97) v1(72.45,126.67) v1(73.42,129.8) v1(73.45,131.62) v1(74.17,138.12) v1(74.22,123.1) v1(77.53,133.15) v1(79.12,125.45) v1(80.4,137.45) v1(81.92,131.88) v1(82.8,139.35) v1(82.9,121.58) v1(83.7,136.18) v1(83.78,129.8) v1(85.33,118.6) v1(87.62,138.57) v1(89.97,136.28) v1(91.9,132.15) v1(91.97,142.12) v1(93.5,124.42) v1(93.6,137.25) v1(96.9,125.47) v1(99.7,134.57) v1(99.8,130.88) v1(99.8,128.6) v1(101.53,132.68) v1(101.92,125.65) v1(104.65,137.55) v1(108.3,133.68) v1(109.85,125.58) v1(110.22,123.33) v1(112.05,128.12) v1(113.6,131) v1(114.67,142.1) v1(116.78,125.17) v1(117.35,121.9) v1(118.9,136.2) v1(119.72,137.62)
MOT_IN1_A: length 15.7
  Top w0.2: MOTU3.20 109.12,124.12 107.86,125.39 106.01,125.39 104.78,124.15 102.13,124.15 98.47,127.81 MOTU1.16
MOT_IN1_B: length 17.9
  Top w0.2: v1(93.5,127.38) 93.92,127.8 MOTU1.9 ; v1(108.2,127.2) 108.47,127.47 MOTU3.2
  Bottom w0.2: v1(93.5,127.38) 94.8,127.38 95.17,127 108,127 v1(108.2,127.2)
MOT_IN2_A: length 11.6
  Top w0.2: MOTU3.15 105.88,123.4 105.52,123.75 101.97,123.75 97.83,127.89 MOTU1.15
MOT_IN2_B: length 18.9
  Top w0.2: MOTU1.10 94.58,127.43 94.16,127.02 v1(94.16,126.6) ; v1(109.2,127.1) 109.2,128.31 MOTU3.1
  Bottom w0.2: v1(94.16,126.6) 108.7,126.6 v1(109.2,127.1)
MOT_MISO: length 53.3
  Top w0.2: MOTR4.2 99.03,120.75 v1(98.33,120.05) ; MOTJ1.9 76.5,130.25 77.53,129.22 v1(77.53,126.69)
  Bottom w0.2: v1(98.33,120.05) 98.33,119.85
  Bottom w0.4: v1(77.53,126.69) 80.58,126.69 87,120.28 94.92,120.28 95.25,119.95 98.08,119.95 98.4,120.28 112.46,120.28 114.96,122.77 114.96,125.07 116.58,126.69
MOT_MOSI: length 51.7
  Top w0.2: MOTR2.2 99.67,119.62 v1(99.22,119.17) ; v1(77.53,124.15) 76.53,125.15 76.53,128.75 76.03,129.25 MOTJ1.11
  Bottom w0.4: MOTJ7.1 117.08,123.47 112.85,119.25 110.7,119.25 110.67,119.28 99.22,119.28 98.9,118.95 94.35,118.95 94.03,119.28 86.45,119.28 81.58,124.15 v1(77.53,124.15)
MOT_MTR1_A: length 22.1
  Top w0.4: MOTU1.2 97.83,135.9 97.88,135.95 99.54,135.95 102.09,133.4 MOTJ8.2 102.84,134.69 102.95,134.8 106.5,134.8 107.67,135.97 113.12,135.97 114.35,134.75 MOTJ6.1
MOT_MTR1_B: length 13.8
  Top w0.4: MOTU1.7 94.58,135.38 94.23,135.72 93.62,135.72 93.33,135.43 93.33,135.22 93.08,134.97 90.11,134.97 88.86,133.72 88.86,133.07 84.75,133.07 MOTJ2.1
MOT_MTR2_A: length 25.7
  Top w0.2: v1(96.45,137.7) 96.53,137.62 MOTU1.4
  Top w0.4: MOTJ6.2 113.35,134.75 112.8,135.3 108.65,135.3 106.75,133.4 v1(105.38,133.4) MOTJ8.1
  Bottom w0.4: v1(96.45,137.7) 96.58,137.7 97.5,136.78 103.75,136.78 105.38,135.15 v1(105.38,133.4)
MOT_MTR2_B: length 18.4
  Top w0.2: MOTU1.5 95.88,136.07 v1(95.92,136.12)
  Top w0.4: v1(91.53,133.82) 91.11,133.82 90.36,133.07 90.36,132.43 89.61,131.68 84.38,131.68 82.8,133.25 MOTJ2.2
  Bottom w0.4: v1(91.53,133.82) 93.83,136.12 v1(95.92,136.12)
MOT_Net-(U1-AISEN): length 4.7
  Top w0.4: MOTU1.3 97.17,138.04 MOTR5.2
MOT_Net-(U1-BISEN): length 4.6
  Top w0.4: 95.22,134.54 95.22,138.29 MOTR6.2
MOT_Net-(U1-VCP): length 2.1
  Top w0.2: MOTC5.2 95.22,127.12 95.22,128.81
MOT_Net-(U1-VINT): length 2.3
  Top w0.2: MOTU1.14 97.17,127.57 97.92,126.83 MOTC6.2
MOT_Net-(U3-NRST): length 2.1
  Top w0.2: MOTU3.6 105.88,129.12 105.25,129.75 MOTC1.1
MOT_Net-(U3-PA1): length 14
  Top w0.2: v1(110.75,128.18) 110.75,129.09 MOTR1.1 ; v1(102.35,128.82) 102.35,127.97 103.05,127.28 104.2,127.28 104.58,127.65 MOTU3.8
  Bottom w0.2: v1(102.35,128.82) 110.1,128.82 v1(110.75,128.18)
MOT_Net-(U3-PA5): length 4
  Top w0.2: MOTU3.12 103.92,122.01 103.54,121.62 101.18,121.62 MOTR3.1
MOT_Net-(U3-PA6): length 5
  Top w0.2: MOTU3.13 104.58,121.93 103.4,120.75 MOTR4.1
MOT_Net-(U3-PA7): length 6.1
  Top w0.2: 105.22,122.66 105.22,121.93 102.92,119.62 MOTR2.1
MOT_NFAULT: length 20.4
  Top w0.2: MOTU3.11 102.49,122.66 100.53,124.62 v1(99.6,124.62) ; v1(93.03,126.47) 92.9,126.6 92.9,133.51 MOTU1.8
  Bottom w0.2: v1(99.6,124.62) 99.35,124.62 99.12,124.85 94.65,124.85 v1(93.03,126.47)
MOT_PS: length 54.1
  Top w0.2: MOTJ1.5 77.05,132.25 v1(77.53,131.77) ; v1(112.78,129.1) 112.7,129.18 MOTR1.2
  Bottom w0.2: 112.95,128.15 112.95,128.93 v1(112.78,129.1)
  Bottom w0.4: v1(77.53,131.77) 78.35,131.77 87.85,122.28 102.45,122.28 102.5,122.33 111.62,122.33 112.95,123.65 112.95,128.15 116.58,131.77
MOT_SCLK: length 55.1
  Top w0.2: MOTR3.2 98.5,121.95 v1(97.64,121.08) ; v1(79.22,129.23) 78.65,129.23 76.63,131.25 MOTJ1.7
  Bottom w0.4: 116.58,129.23 113.95,126.6 113.95,123.2 113.92,123.2 112,121.28 87.43,121.28 79.48,129.23 v1(79.22,129.23) MOTJ5.4
MOT_SWDCLK: length 30.8
  Top w0.2: v1(96.33,122.97) 92.86,119.51 88.34,119.51 88.22,119.4 MOTJ4.4 ; MOTU3.19 108.47,123.92 v1(108.25,124.15)
  Bottom w0.2: v1(108.25,124.15) 108.25,123.83 107.25,122.83 96.47,122.83 v1(96.33,122.97)
MOT_SWDIO: length 33.4
  Top w0.2: v1(107.53,124.53) 107.53,124.03 107.83,123.73 MOTU3.18 ; MOTJ4.3 80.51,120.56 82.3,120.56 82.69,120.17 92.05,120.17 v1(94.85,122.97)
  Bottom w0.2: v1(94.85,122.97) 94.97,122.97 95.58,123.58 98.42,123.58 98.77,123.22 107.08,123.22 107.53,123.67 v1(107.53,124.53)
MOT_VDD: length 60.8
  Top w0.2: 112.3,130.43 113.38,129.35 113.38,127.47 MOTC9.1 111.71,125.81 MOTU2.5 ; 112.3,130.43 v1(109.4,130.43) 108.41,130.43 MOTC2.1 107.17,129.19 MOTU3.4 ; 112.3,130.43 112.35,130.48 MOTJ6.3 ; MOTU1.1 101.96,131.05 v1(103.22,131.05) ; v1(102.35,135.47) 102.35,137.39 99.96,139.78 85.19,139.78 81.8,136.38 MOTJ2.3
  Bottom w0.2: v1(109.4,130.43) 108.78,131.05 v1(103.22,131.05) 102.35,131.93 v1(102.35,135.47)
POW_5V: length 71.8
  Top w0.2: 184.29,86.43 POWIC1.5 ; 184.29,86.43 184.39,86.53 185.87,86.53 186.38,86.02 v1(186.38,84.03) 186.38,82.85 188.5,80.73 188.5,79.8 188.44,79.75 ; 184.29,86.43 184.19,86.53 179.11,86.53 177.12,84.54 v1(175.34,84.54) 174.34,83.55 POWJ2.A9 174.43,82.94 174.43,84.55 173.85,85.12 171.77,85.12 171.2,84.55 171.2,78.95 ; v1(178.79,84.23) 179.25,83.78 POWJ2.A4 ; 171.2,78.95 171.25,78.9 171.35,78.9 ; 171.2,78.95 171.75,78.4 POWJ5.3 ; 171.24,72.49 171.65,72.9 POWJ5.14 ; 171.24,72.49 170.7,71.95 168.76,71.95 168.18,72.53 168.18,75.9 171.18,78.9 171.35,78.9 ; 171.24,72.49 171.32,72.4 POWJ5.15 ; 188.44,79.75 POWJ6.15 ; 188.44,79.75 188.68,79.75 ; 188.78,73.75 188.28,73.25 POWJ6.2 ; 188.78,73.75 POWJ6.3 ; 188.78,73.75 189.26,73.75 191.8,76.29 191.8,78.09 190.14,79.75 188.68,79.75 ; 171.35,78.9 POWJ5.2 ; 188.68,79.75 188.18,79.25 POWJ6.14